# Allegro board BeagleV-FIRE_REV-A_230911.brd (continued)
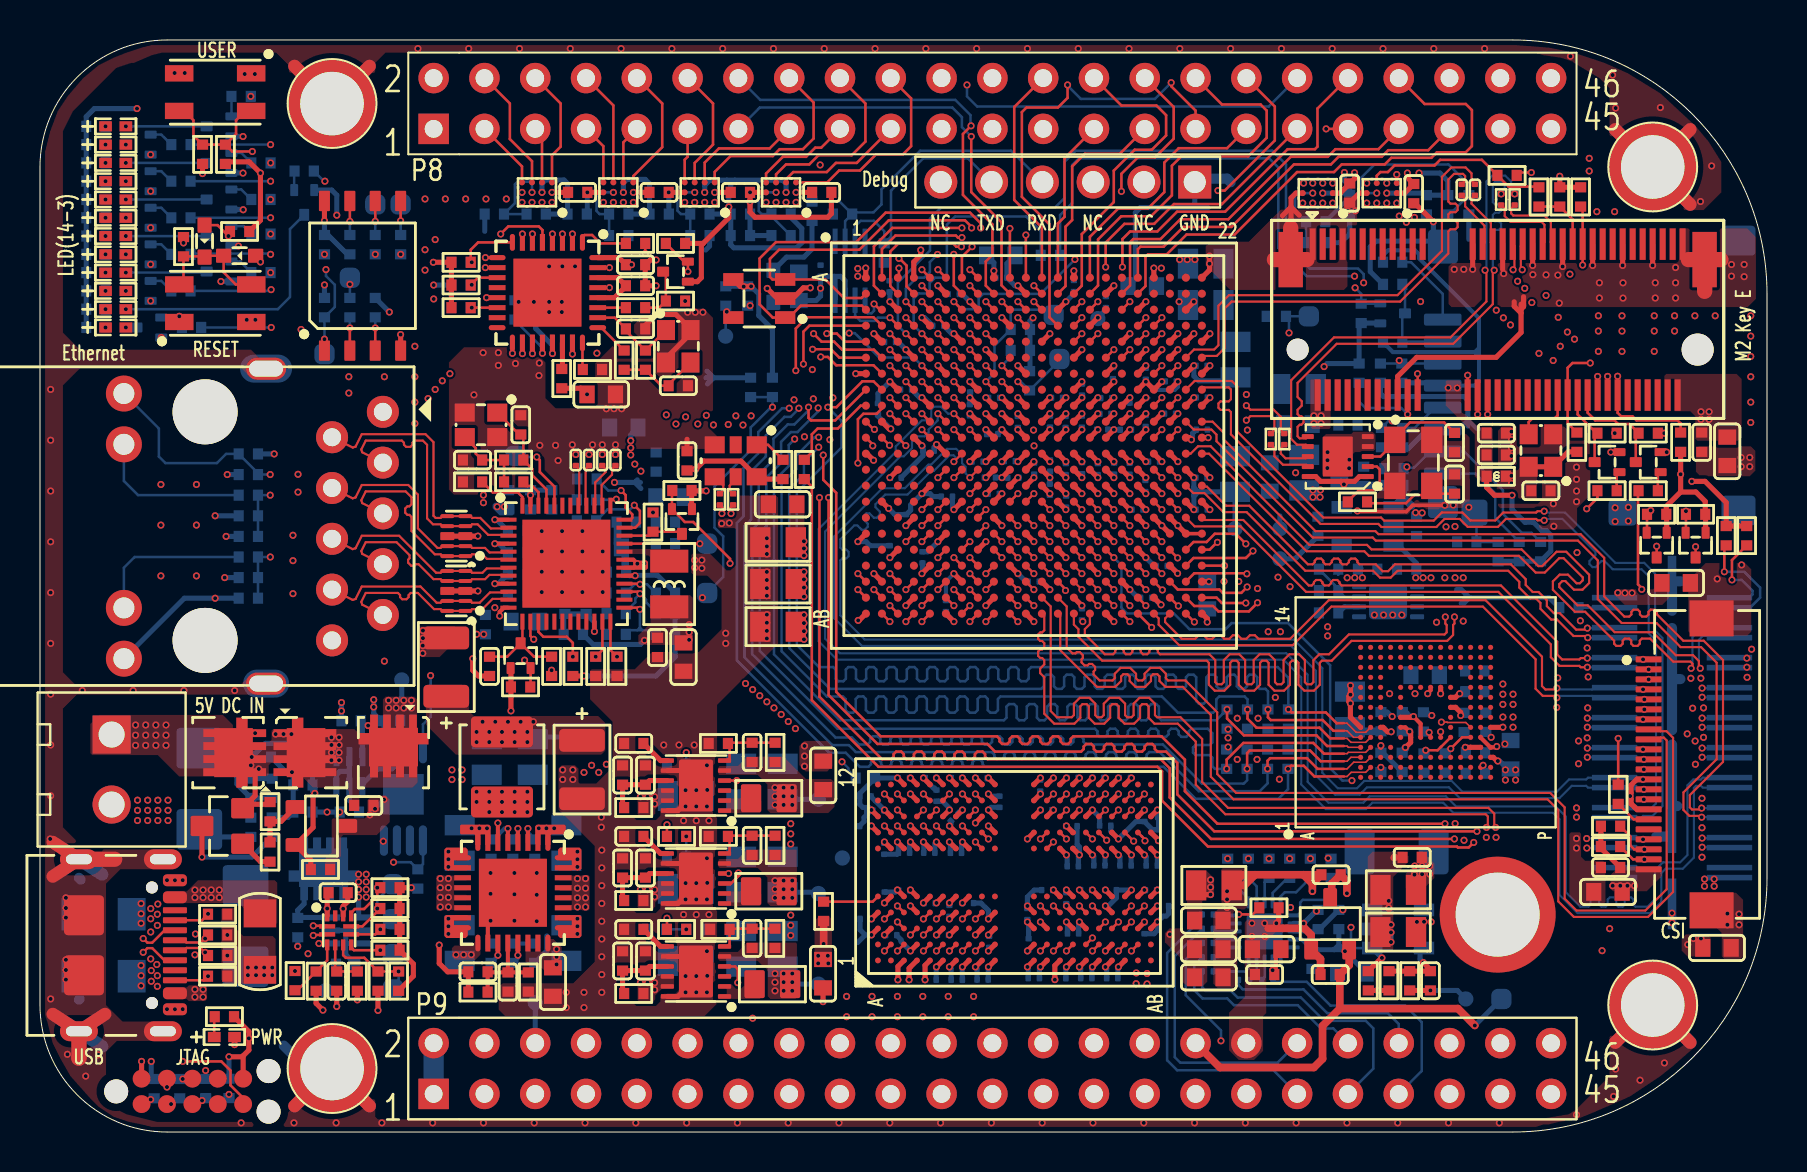
[diagram p0: board, top side]
## Copper pours and planes (outline as drawn; the poured copper is in the pictures) (continued)
EXT_VDD_5V_R on TOP: 10.33,19.5 11.46,19.5 11.58,19.61 11.58,20.07 11.65,20.14 12.7,20.14 12.76,20.07 12.76,18.53 12.69,18.46 11.55,18.46 11.44,18.34 11.44,17.87 11.37,17.8 10.41,17.8 10.23,17.98 10.23,19.41
EXT_VDD_5V_R on L3_SIG1: 11.41,20.35 12.87,20.35 13.01,20.21 13.01,18.92 11.83,17.74 10.55,17.74 10.14,18.15 10.14,19.08
PHY_DVDD3V3 on BOTTOM: 29.92,33.27 31.09,33.27 31.19,33.17 31.19,28.14 31.14,28.09 29.9,28.09 29.79,28.19 29.79,33.15
PHY_VDDIO on TOP: 30.63,26.85 32.51,26.85 32.64,26.72 32.64,24.43 32.56,24.36 30.02,24.36 29.92,24.46 29.92,24.84 30.53,25.45 30.53,26.75
PHY_VDDIO on L3_SIG1: 22.73,31.75 23.6,31.75 24.74,30.61 24.74,26.57 25.48,25.83 32.72,25.83 32.92,25.63 32.92,24.51 32.82,24.41 24.33,24.41 23.37,25.37 23.37,29.82 22.68,30.5 22.68,31.7
REGOUT on TOP: 29.06,29.16 31.65,29.16 32.16,28.65 32.16,28.4 31.95,28.19 30.96,28.19 30.25,28.91 29.06,28.91 29.03,28.93 29.03,29.13
SD_3V3 on TOP: 71.9,35.26 72.54,35.26 72.65,35.15 72.65,32.66 72.53,32.54 71.99,32.54 71.74,32.78 71.74,34.88 70.29,36.33 70.29,37.53 70.36,37.59 70.97,37.59 71.07,37.49 71.07,36.09
SYS_5V on TOP (solid shape): 22.53,15.29 22.53,14.43 22.45,14.35 22.28,14.35 22.28,14.86 22.25,14.88 22.05,14.88 22.02,14.86 22.02,14.35 21.79,14.35 21.77,14.38 21.77,14.83 21.72,14.88 21.06,14.88 21.01,14.94 21.01,15.32 21.06,15.37 22.45,15.37
SYS_5V on TOP (solid shape): 26.29,15.32 26.29,14.94 26.24,14.88 25.58,14.88 25.53,14.83 25.53,14.38 25.5,14.35 25.27,14.35 25.27,14.86 25.25,14.88 25.04,14.88 25.02,14.86 25.02,14.35 24.84,14.35 24.77,14.43 24.77,15.29 24.84,15.37 26.24,15.37
SYS_5V on TOP: 31.66,12.55 30.87,12.55 30.61,12.3 29.95,12.3 29.88,12.22 29.88,11.25 29.93,11.2 30.69,11.2 30.77,11.28 30.77,11.48 31.1,11.81 31.66,11.81 31.71,11.86 31.71,12.5
SYS_5V on TOP: 81.46,27.61 81.46,26.7 81.13,26.36 79.23,26.36 78.72,26.87 78.72,27.03 78.83,27.14 80.66,27.14 80.73,27.21 80.73,27.5 80.91,27.68 80.97,27.61
SYS_5V on TOP: 31.66,7.9 30.87,7.9 30.61,7.65 29.95,7.65 29.88,7.57 29.88,6.61 29.93,6.56 30.69,6.56 30.77,6.63 30.77,6.84 31.1,7.17 31.66,7.17 31.71,7.22 31.71,7.85
SYS_5V on TOP: 18.86,19.88 18.86,21.63 18.72,21.77 17.28,21.77 17.15,21.64 17.15,20.02 17.39,19.78 18.76,19.78
SYS_5V on TOP: 24.28,9.65 24.28,8.51 24.38,8.41 24.89,8.41 25.2,8.1 26.06,8.1 26.09,8.13 26.09,9.25 25.68,9.65 25.27,9.65 25.27,9.04 25.25,9.02 25.04,9.02 25.02,9.04 25.02,9.65 24.77,9.65 24.77,9.04 24.74,9.02 24.56,9.02 24.54,9.04 24.54,9.65
SYS_5V on TOP: 21.77,9.6 21.77,9.52 21.56,9.32 20.73,9.32 20.6,9.19 20.6,8.76 20.75,8.61 21.77,8.61 22.02,8.86 22.02,9.58 21.97,9.63 21.79,9.63
SYS_5V on TOP: 31.66,17.2 30.87,17.2 30.61,16.94 29.95,16.94 29.88,16.87 29.88,15.9 29.93,15.85 30.69,15.85 30.77,15.93 30.77,16.13 31.1,16.46 31.66,16.46 31.71,16.51 31.71,17.15
SYS_5V on BOTTOM: 30.99,14.02 31.75,14.02 31.83,13.94 31.83,11.48 31.55,11.2 29.92,11.2 29.87,11.25 29.87,12.22 29.95,12.29 30.56,12.29 30.91,12.65 30.91,13.94
SYS_5V on BOTTOM: 68.7,11.15 68.7,10.29 68.78,10.21 69.67,10.21 69.72,10.26 69.72,11.02 69.44,11.3 68.85,11.3
SYS_5V on BOTTOM: 26.21,15.85 24.87,15.85 24.77,15.75 24.77,15.11 24.87,15.01 26.26,15.01 26.31,15.06 26.31,15.75
SYS_5V on BOTTOM: 31.06,9.3 31.82,9.3 31.83,9.3 31.83,6.83 31.55,6.55 30.07,6.55 29.87,6.76 29.87,10.07 30.22,10.42 30.44,10.42 30.62,10.24 30.62,9.74
SYS_5V on BOTTOM: 21.1,15.85 22.44,15.85 22.53,15.76 22.53,15.1 22.44,15.01 21.05,15.01 21,15.06 21,15.75
SYS_5V on BOTTOM: 13.78,12.66 15.47,12.66 15.83,13.02 16.13,13.02 16.2,13.09 16.4,13.09 16.5,12.98 16.5,11.68 16.4,11.57 13.75,11.57 13.67,11.65 13.67,12.56
SYS_5V on BOTTOM: 17.65,18.64 17.65,20.93 17.56,21.03 17.35,21.03 17.24,21.14 17.24,21.68 17.33,21.77 19.14,21.77 19.25,21.67 19.25,20.95 18.71,20.42 18.71,18.57 18.61,18.47 17.83,18.47
SYS_5V on BOTTOM: 30.99,18.67 31.75,18.67 31.83,18.59 31.83,16.13 31.55,15.85 29.92,15.85 29.87,15.9 29.87,16.87 29.95,16.94 30.56,16.94 30.91,17.3 30.91,18.59
SYS_5V on BOTTOM: 79.86,27.03 79.86,26.67 79.83,26.64 77.67,26.64 77.62,26.7 77.62,27.03 77.74,27.14 79.74,27.14
SYS_5V on L7_PWR1: 21.39,38.02 21.95,38.58 25.93,38.58 26.16,38.81 26.16,40.16 25.98,40.34 18.36,40.34 18.01,39.98 18.01,24.94 16.66,23.6 16.66,22.33 14.96,20.62 8.94,20.62 8.48,20.17 8.48,14.81 16.1,7.19 24.33,7.19 26.11,5.41 26.11,2.08 26.77,1.42 70.64,1.42 79.38,10.16 82.25,10.16 83.79,11.71 83.79,28.17 83.78,28.18 83.78,29.71 82.83,30.66 77.72,30.66 76.5,29.44 76.5,18.64 74.35,16.48 63.35,16.48 62.48,15.62 62.48,13.51 59.03,10.06 59.03,7.48 58.48,6.93 39.42,6.93 37.87,8.48 37.87,13.72 35.71,15.88 35.71,17.7 22.33,17.7 21.39,18.64
USB_5V on TOP: 6.58,7.23 7.34,7.23 7.44,7.34 8.26,7.34 8.36,7.23 8.36,6.65 8.26,6.55 7.44,6.55 7.34,6.65 6.5,6.65 6.45,6.7 6.45,7.11
USB_5V on TOP: 6.38,12.03 7.34,12.03 7.9,12.59 11.73,12.59 11.86,12.47 11.86,10.46 11.73,10.33 10.49,10.33 10.31,10.51 10.31,11.07 9.93,11.45 6.55,11.45 6.38,11.63
USB_5V on BOTTOM: 12.93,15.34 11,13.4 7.94,13.4 7.53,12.99 7.53,11.68 7.7,11.51 11.58,11.51 13,12.93 15.3,12.93 16.18,13.81 18.54,13.81 18.7,13.97 18.7,15.19 18.55,15.34
USB_5V on L7_PWR1: 7.47,12.67 6.35,11.55 6.35,6.95 6.93,6.37 8.97,6.37 9.7,7.11 9.7,12.34 9.37,12.67
VIO_1V8 on TOP: 68.83,14.02 68.83,13.46 68.3,12.93 68.3,12.24 68.78,11.76 69.72,12.7 69.72,13.44 69.14,14.02
VIO_1V8 on TOP: 83.54,8.89 83.54,9.73 83.39,9.88 82.3,9.88 82.09,9.68 82.09,9.07 82.38,8.78 83.43,8.78
VIO_1V8 on BOTTOM: 84.94,12.85 83.06,12.85 82.85,12.65 82.85,12.14 82.98,12.01 84.51,12.01 85.14,12.65
VIO_1V8 on BOTTOM: 68.92,14.56 68.92,13.81 68.54,13.43 68.54,12.74 68.67,12.61 70.02,12.61 70.34,12.93 70.34,14.18 69.96,14.56
VIO_1V8 on L3_SIG1: 83.03,12.83 82.85,12.65 82.85,10.21 82.73,10.08 81.41,10.08 79.55,11.94 77.9,11.94 75.34,14.5 71.7,14.5 70.99,13.79 68.71,13.79 68.45,13.54 68.45,12.73 68.76,12.42 71.53,12.42 72.31,13.21 73.66,13.21 76.38,10.49 79.15,10.49 80.57,9.07 83.77,9.07 84.05,9.35 84.05,12.65 83.87,12.83
N8635511 on TOP: 26.11,12.85 27.41,12.85 27.48,12.78 27.48,11.15 27.41,11.07 26.01,11.07 25.98,11.1 25.98,11.35 26.57,11.35 26.59,11.38 26.59,11.56 26.57,11.58 25.98,11.58 25.98,11.84 26.57,11.84 26.59,11.86 26.59,12.04 26.57,12.07 25.98,12.07 25.98,12.34 26.57,12.34 26.59,12.37 26.59,12.55 26.57,12.57 25.98,12.57 25.98,12.73
N8635511 on TOP: 21.18,11.07 19.89,11.07 19.81,11.15 19.81,12.78 19.89,12.85 21.29,12.85 21.31,12.83 21.31,12.57 20.73,12.57 20.7,12.55 20.7,12.37 20.73,12.34 21.31,12.34 21.31,12.09 20.73,12.09 20.7,12.07 20.7,11.89 20.73,11.86 21.31,11.86 21.31,11.58 20.73,11.58 20.7,11.56 20.7,11.38 20.73,11.35 21.31,11.35 21.31,11.2
N8635511 on L3_SIG1: 27.41,11.07 25.91,11.07 25.78,11.2 25.78,13.72 25.45,14.05 21.87,14.05 21.56,13.74 21.56,11.23 21.41,11.07 19.89,11.07 19.81,11.15 19.81,16.69 20.4,17.27 26.9,17.27 27.48,16.69 27.48,11.15
N8635511 on L10_SIG3: 20.4,17.27 26.9,17.27 27.48,16.69 27.48,11.15 27.41,11.07 25.91,11.07 25.78,11.2 25.78,13.72 25.45,14.05 21.87,14.05 21.56,13.74 21.56,11.23 21.41,11.07 19.89,11.07 19.81,11.15 19.81,16.69
N8649729 on TOP: 33.93,7.39 34.57,7.39 34.8,7.17 35.06,7.17 35.59,7.7 35.81,7.7 35.89,7.62 35.89,7.39 36.07,7.21 36.07,6.73 35.99,6.65 33.96,6.65 33.91,6.71 33.91,6.88 34.32,6.88 34.34,6.91 34.34,7.14 34.32,7.16 33.91,7.16 33.91,7.37
N8671550 on TOP: 33.93,12.04 35.26,12.04 35.26,12.29 35.31,12.34 35.64,12.34 35.69,12.4 35.89,12.19 35.89,12.04 36.07,11.86 36.07,11.38 35.99,11.3 33.96,11.3 33.91,11.35 33.91,11.53 34.32,11.53 34.34,11.56 34.34,11.79 34.32,11.81 33.91,11.81 33.91,12.01
N8672918 on TOP: 33.93,16.69 35.15,16.69 35.2,16.74 35.2,17.02 35.74,17.02 35.79,17.07 35.89,16.97 35.89,16.69 36.07,16.51 36.07,16.03 35.99,15.95 33.96,15.95 33.91,16 33.91,16.18 34.32,16.18 34.34,16.21 34.34,16.43 34.32,16.46 33.91,16.46 33.91,16.66
N10444089 on BOTTOM: 65.91,11.05 65.91,11.79 65.3,12.4 65.3,13.77 65.86,14.33 66.65,14.33 66.9,14.07 66.9,10.97 66.8,10.87 66.09,10.87

Small or netless copper shapes (teardrops, artwork), in the pictures only: 2 on TOP, 1 on BOTTOM

## Text on the board
Ref Des/Silkscreen Bottom: Micro SD | 5V | J19
Ref Des/Silkscreen Top: USB | Ethernet | JTAG | RESET | USER | 5V DC IN | PWR | Debug | NC | TXD | RXD | GND | CSI | LED(14-3) | M2 Key E | P8 | P9
PAGE_OUTLINE: L11 INNER | PREPREG | BOTTOM | L8 INNER | L5 INNER | COPPER | FR4 | +PLATING | 0.5 OZ | 4.5mil | ROUTING | A2 | A1 | Third release | first release | Second release | BeagleBone AI | 319014190 | 2020/05/27 | 2018/12/21 | Jessie.Yan | Seeed | W:4 | W:3.8/S:6 | W:3.4/S:9 | W:4.2/S:8.4
DISPLAY_TOP: AM572X | SPC
USER_PART_NUM_TOP: TSLKC
USER_PART_NUM_BOTTOM: BSLKC
DISPLAY_BOTTOM: SPS
User.15: TSLK
User.16: BSLK
User.17: ASSEMBLY_TOP
User.18: ASSEMBLY_BOTTOM
User.24: J37 | J92 | 1 | D4 | D5 | D8 | D2 | D3 | D1 | USER LEDS | RESET | PWR | POWER | U14 | USB Host | TYPE C | J42 | P8 | U3 | P9 | U37 | U2 | U4 | U78 | AM57X | J41 | U7 | BeagleBone AI RevA2
User.25: TP1 | TP7 | TP5 | TP2 | TP4 | TP11 | TP3 | microSD Card | 2 | 20 | 1 | 19 | P2 | U11 | J91 | J90
User.45: FIGURE | FINISHED_SIZE | 8.0 | 35.0 | 35.43 | 41.34 | 43.31 | 51.18 | 125.0 | 165.35 | 23.62 | 40.16 | 47.24 | 62.99 | 127.95 | 51.18x19.68 | 66.93x31.5 | DRILL CHART: TOP to BOTTOM | ALL UNITS ARE IN MILS | SLOT HOLES: TOP to BOTTOM | TOLERANCE_DRILL | +3.0/-3.0 | +0.0/-0.0 | PLATED | NON-PLATED | QTY | 1830 | 90 | 2 | 10 | 4 | 6 | 1 | 3 | 1960 | TOTAL HOLES:
